# Altium PCB CRD25DA12N-FMC V1.2 (01-2024).PcbDoc (part 2 of 6)
Units mil, origin at the board's own origin, x right, y up, seen from the top; angles counter-clockwise.
Board outline 8000 x 8000 mil, 6 copper layers (Top Layer, Layer 2, Layer 3, Layer 4, Layer 5, Bottom Layer), stack 91 mil thick; 574 components, 325 nets, 1631 pads, 633 vias.
Unrouted connection lines stored in the file: 1.
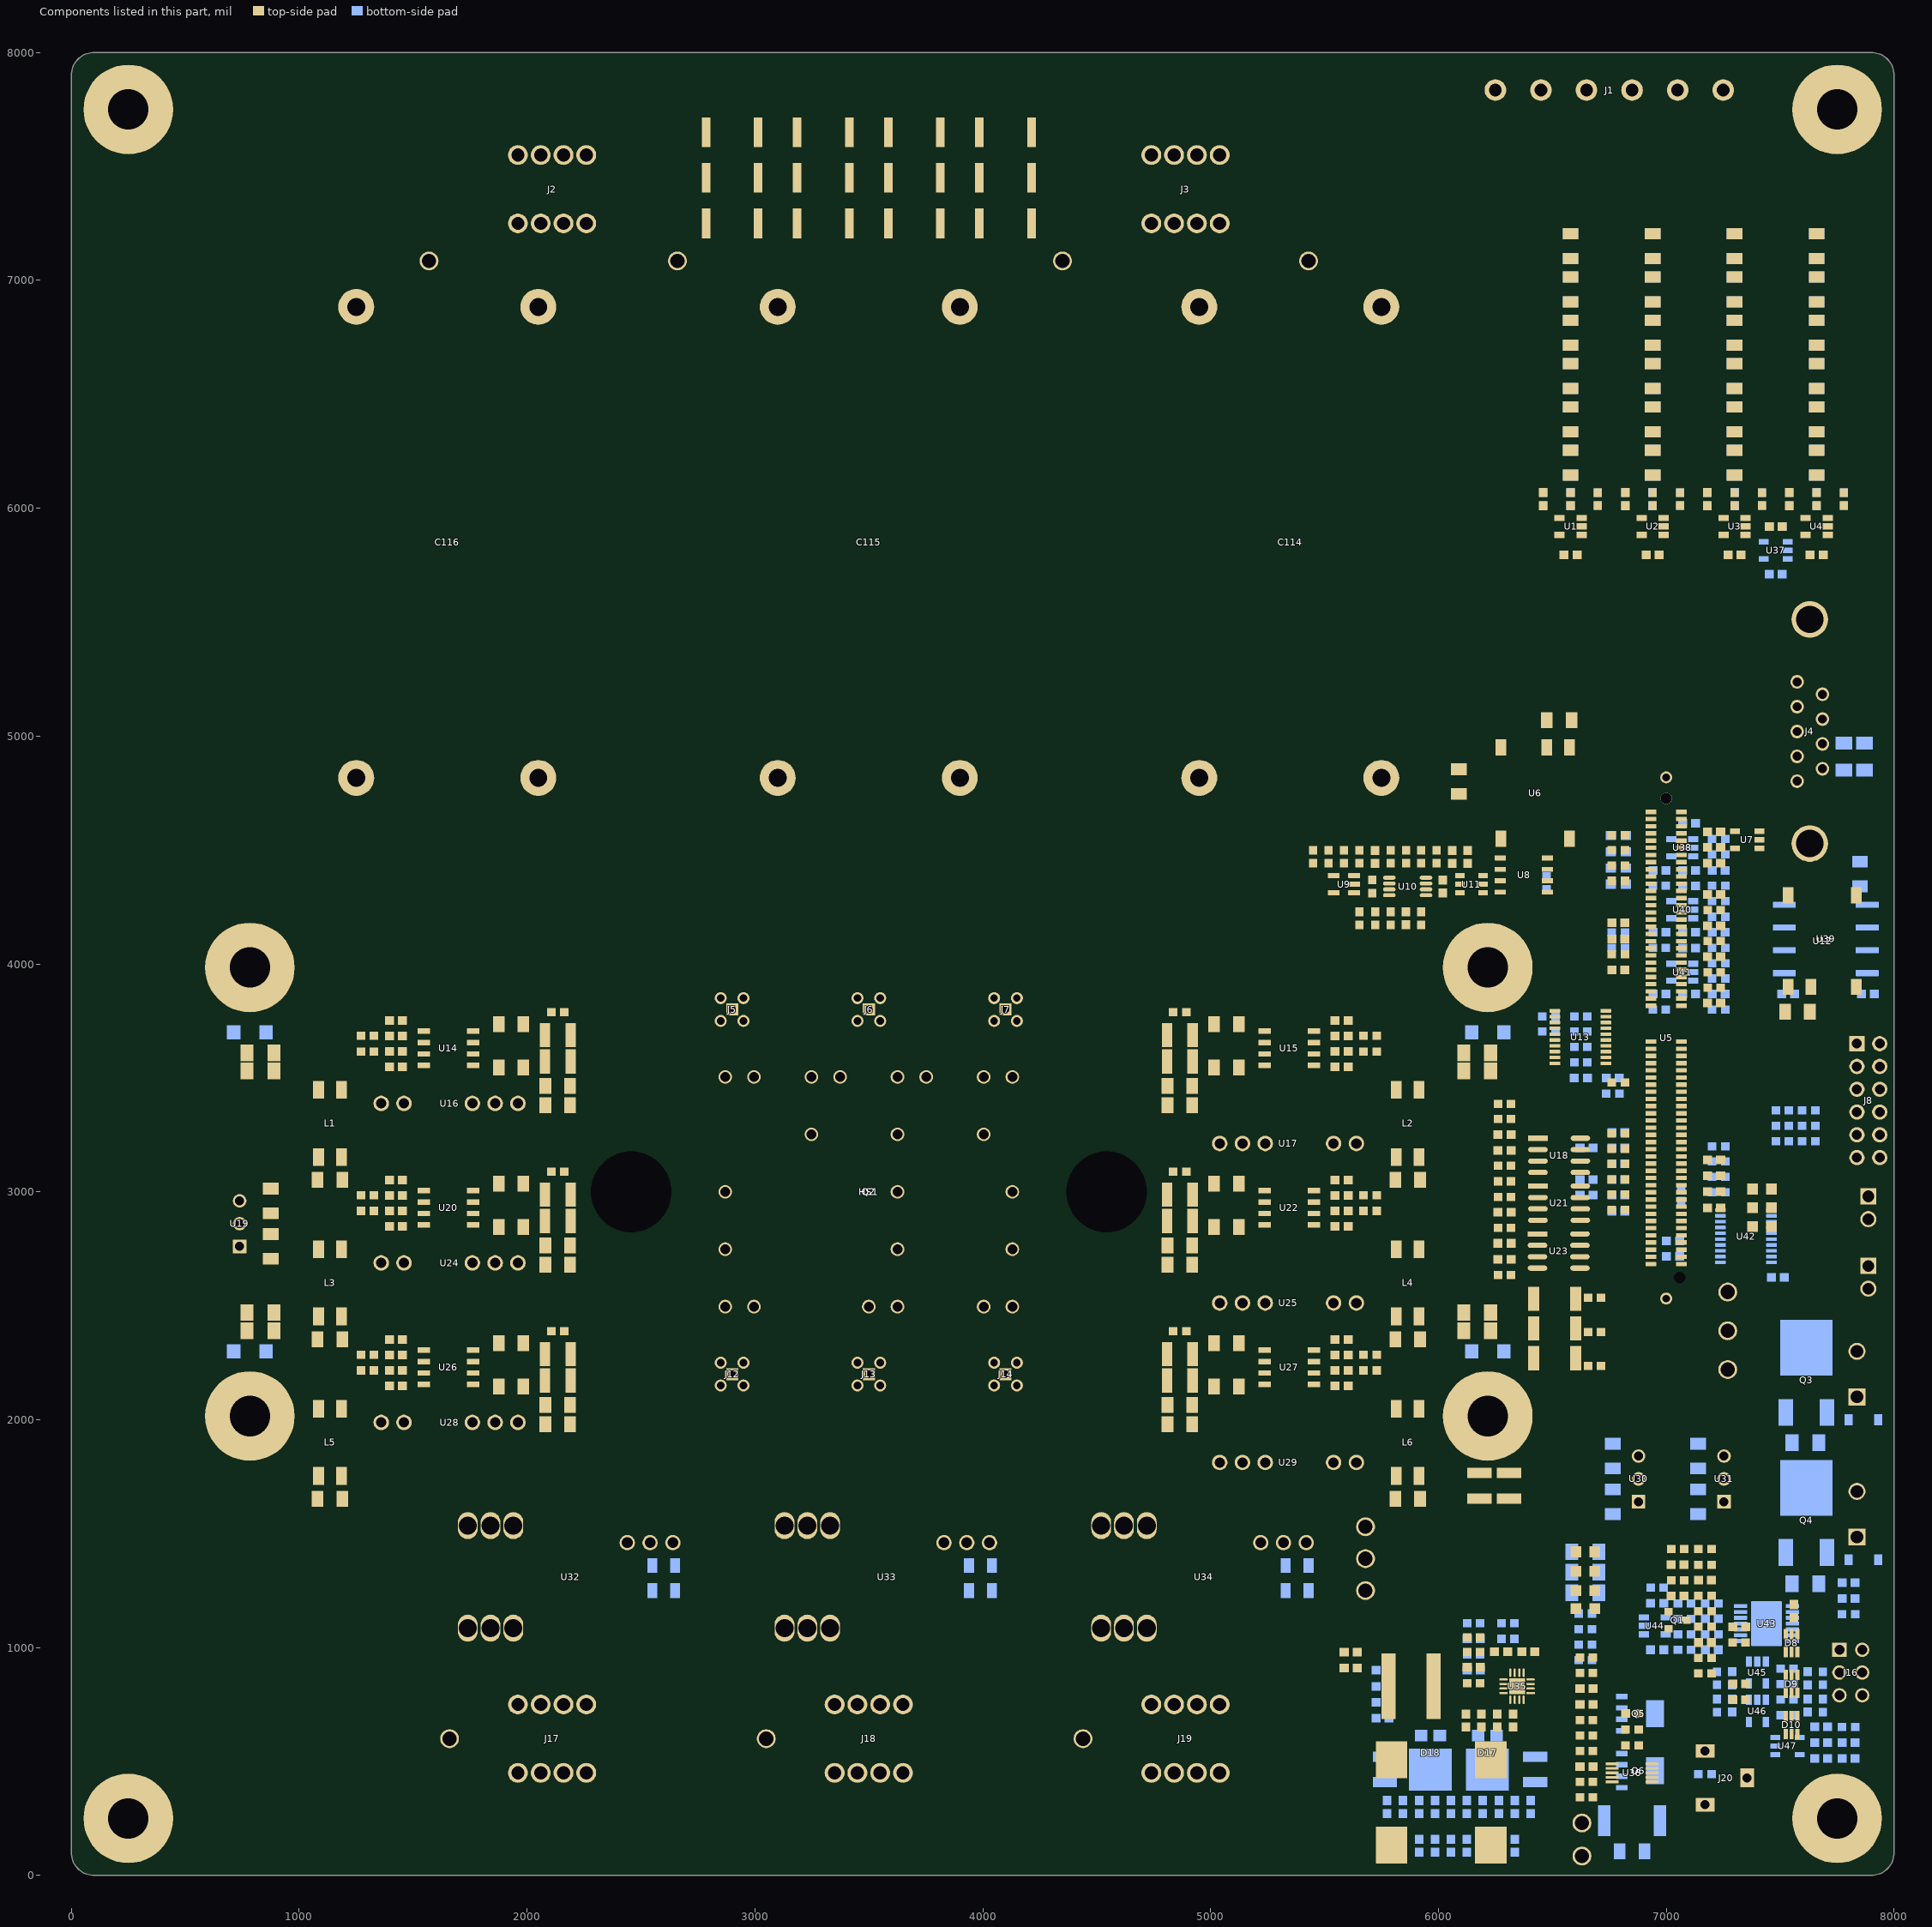
[diagram p6: the components of this part, seen from the top]

## Components (designator, comment, footprint, x,y, rotation, side; value= is the part's Value field where it differs from the comment) (continued)
R171 "TNPW1206249KBEEA" RESC3216X65X50NL15T25 6940,6200 r270 bottom value=249kΩ (schematic designator R178)
R172 "TNPW1206249KBEEA" RESC3216X65X50NL15T25 6580,6200 r270 bottom value=249kΩ (schematic designator R179)
R173 "ERJ-PB3B1801V" FP-MCR03-IPC_B 7780,6040 r90 bottom value=1.8kΩ (schematic designator R180)
R174 "RC0603FR-074K99L" FP-MCR03-IPC_B 7540,6040 r270 bottom value=4.99kΩ (schematic designator R181)
R175 "ERJ-PB3B1801V" FP-MCR03-IPC_B 7420,6040 r90 bottom value=1.8kΩ (schematic designator R182)
R176 "RC0603FR-074K99L" FP-MCR03-IPC_B 7180,6040 r270 bottom value=4.99kΩ (schematic designator R183)
R177 "ERJ-PB3B1801V" FP-MCR03-IPC_B 7060,6040 r90 bottom value=1.8kΩ (schematic designator R184)
R178 "RC0603FR-074K99L" FP-MCR03-IPC_B 6820,6040 r270 bottom value=4.99kΩ (schematic designator R185)
R179 "ERJ-PB3B3741V" FP-MCR03-IPC_B 6700,6040 r270 bottom value=3.74kΩ (schematic designator R186)
R180 "RC0603FR-074K99L" FP-MCR03-IPC_B 6460,6040 r270 bottom value=4.99kΩ (schematic designator R187)
R181 "RC1206FR-07249RL" FP-MCR18-IPC_A 7870,4910 r90 bottom value=249Ω (schematic designator R188)
R182 "RC1206FR-07249RL" FP-MCR18-IPC_A 7780,4910 r90 bottom value=249Ω (schematic designator R189)
R183 "RMCF0603FT1K33" FP-MCR03-IPC_B 7230,4548 r180 bottom value=1.33kΩ (schematic designator R190)
R184 "RMCF0603FT7K15" FP-MCR03-IPC_B 7230,4480 r180 bottom value=7.15kΩ (schematic designator R191)
R185 "ERA3AEB4021V" FP-MCR03-IPC_B 7230,4343 r0 bottom value=4.02kΩ (schematic designator R192)
R186 "RC0603FR-077K87L" FP-MCR03-IPC_B 6970,4343 r0 bottom value=7.87kΩ (schematic designator R193)
R187 "RMCF0603FT1K33" FP-MCR03-IPC_B 7230,4275 r180 bottom value=1.33kΩ (schematic designator R194)
R188 "RMCF0603FT7K15" FP-MCR03-IPC_B 7230,4207 r180 bottom value=7.15kΩ (schematic designator R195)
R189 "ERJ-3EKF49R9V" FP-MCR03-IPC_B 6790,4139 r0 bottom value=49.9Ω (schematic designator R196)
R190 "ERA3AEB4021V" FP-MCR03-IPC_B 7230,4070 r0 bottom value=4.02kΩ (schematic designator R197)
R191 "RC0603FR-077K87L" FP-MCR03-IPC_B 6970,4070 r0 bottom value=7.87kΩ (schematic designator R198)
R192 "ERJ-3EKF49R9V" FP-MCR03-IPC_B 6790,4070 r0 bottom value=49.9Ω (schematic designator R199)
R193 "RMCF0603FT1K33" FP-MCR03-IPC_B 7230,4003 r180 bottom value=1.33kΩ (schematic designator R200)
R194 "RMCF0603FT7K15" FP-MCR03-IPC_B 7230,3936 r180 bottom value=7.15kΩ (schematic designator R201)
R195 "ERA3AEB4021V" FP-MCR03-IPC_B 7230,3800 r0 bottom value=4.02kΩ (schematic designator R202)
R196 "RC0603FR-077K87L" FP-MCR03-IPC_B 6970,3800 r0 bottom value=7.87kΩ (schematic designator R203)
R197 "RC0603FR-07100KL" FP-MCR03-IPC_B 6625,3770 r180 bottom value=100kΩ (schematic designator R204)
R198 "RC0603FR-07100KL" FP-MCR03-IPC_B 6485,3770 r180 bottom value=100kΩ (schematic designator R205)
R199 "RC0603FR-07100KL" FP-MCR03-IPC_B 6625,3703 r180 bottom value=100kΩ (schematic designator R206)
R200 "RC0603FR-07100KL" FP-MCR03-IPC_B 6485,3703 r180 bottom value=100kΩ (schematic designator R207)
R201 "RC0603FR-07100KL" FP-MCR03-IPC_B 6625,3636 r180 bottom value=100kΩ (schematic designator R208)
R202 "RC0603FR-07100KL" FP-MCR03-IPC_B 6625,3568 r180 bottom value=100kΩ (schematic designator R209)
R203 "ERJ3EKF1002V" FP-MCR03-IPC_B 6765,3430 r180 bottom value=10kΩ (schematic designator R210)
R204 "RC0603FR-13330RL" FP-MCR03-IPC_B 7625,3358 r180 bottom value=330Ω (schematic designator R211)
R205 "RC0603FR-13330RL" FP-MCR03-IPC_B 7510,3358 r180 bottom value=330Ω (schematic designator R212)
R206 "RC0603FR-13330RL" FP-MCR03-IPC_B 7625,3290 r180 bottom value=330Ω (schematic designator R213)
R207 "RC0603FR-13330RL" FP-MCR03-IPC_B 7510,3290 r180 bottom value=330Ω (schematic designator R214)
R208 "RC0603FR-13330RL" FP-MCR03-IPC_B 7625,3222 r180 bottom value=330Ω (schematic designator R215)
R209 "RC0603FR-13330RL" FP-MCR03-IPC_B 7510,3222 r180 bottom value=330Ω (schematic designator R216)
R210 "CRCW06030000Z0EB" FP-MCR03-IPC_B 7230,3200 r180 bottom value=0Ω (schematic designator R217)
R211 "CRCW06030000Z0EB" FP-MCR03-IPC_B 7230,3133 r180 bottom value=0Ω (schematic designator R218)
R212 "CRCW06030000Z0EB" FP-MCR03-IPC_B 7230,3066 r180 bottom value=0Ω (schematic designator R219)
R213 "CRCW06030000Z0EB" FP-MCR03-IPC_B 7230,2998 r180 bottom value=0Ω (schematic designator R220)
R214 "RC1206FR-07249RL" FP-MCR18-IPC_A 7610.9,1899.76 r0 bottom value=249Ω (schematic designator R221)
R215 "RC1206FR-07249RL" FP-MCR18-IPC_A 6645,1420 r0 bottom value=249Ω (schematic designator R223)
R216 "RC1206FR-07249RL" FP-MCR18-IPC_A 6645,1330 r180 bottom value=249Ω (schematic designator R224)
R217 "RC1206FR-07249RL" FP-MCR18-IPC_A 7610.9,1280 r0 bottom value=249Ω (schematic designator R225)
R218 "ERJ3EKF3901V" FP-MCR03-IPC_B 6960,1263 r0 bottom value=3.9kΩ (schematic designator R226)
R219 "RC1206FR-07249RL" FP-MCR18-IPC_A 6645,1240 r0 bottom value=249Ω (schematic designator R227)
R220 "RC0603FR-07470KL" FP-MCR03-IPC_B 7200,1194 r180 bottom value=470kΩ (schematic designator R228)
R221 "ERA-3AED153V" FP-MCR03-IPC_B 7080,1194 r0 bottom value=15kΩ (schematic designator R229)
R222 "ERJ3EKF1002V" FP-MCR03-IPC_B 7800,1146 r180 bottom value=10kΩ (schematic designator R231)
R223 "CRCW06034K70FKTA" FP-MCR03-IPC_B 6645,1149 r180 bottom value=4.7kΩ (schematic designator R230)
R224 "ERJ3EKF3901V" FP-MCR03-IPC_B 7080,1126 r180 bottom value=3.9kΩ (schematic designator R232)
R225 "RT0603DRE0734K8L" FP-MCR03-IPC_B 6305,1038 r180 bottom value=34.8kΩ (schematic designator R253)
R226 "RT0603DRE072KL" FP-MCR03-IPC_B 6155,1106 r180 bottom value=2kΩ (schematic designator R261)
R227 "CRCW06034K70FKTA" FP-MCR03-IPC_B 6645,1081 r180 bottom value=4.7kΩ (schematic designator R233)
R228 "ERA-3AED153V" FP-MCR03-IPC_B 7200,1058 r180 bottom value=15kΩ (schematic designator R234)
R229 "ERJ3EKF1002V" FP-MCR03-IPC_B 7080,1058 r0 bottom value=10kΩ (schematic designator R235)
R230 "RT0603DRE0722K6L" FP-MCR03-IPC_B 6305,1106 r0 bottom value=22.6kΩ (schematic designator R258)
R231 "CRCW06034K70FKTA" FP-MCR03-IPC_B 6645,1013 r0 bottom value=4.7kΩ (schematic designator R236)
R232 "ERJ3EKF1002V" FP-MCR03-IPC_B 7080,990 r180 bottom value=10kΩ (schematic designator R237)
R233 "RT0603BRD075K36L" FP-MCR03-IPC_B 6155,970 r0 bottom value=5.36kΩ (schematic designator R252)
R234 "CRCW06034K70FKTA" FP-MCR03-IPC_B 6645,945 r0 bottom value=4.7kΩ (schematic designator R238)
R235 "ERJ-PB3B1212V" FP-MCR03-IPC_B 7530,907 r180 bottom value=12.1kΩ (schematic designator R239)
R236 "RC0603FR-0747KL" FP-MCR03-IPC_B 7688,865 r270 bottom value=47kΩ (schematic designator R240)
R237 "ERJ3EKF1002V" FP-MCR03-IPC_B 7222,865 r270 bottom value=10kΩ (schematic designator R241)
R238 "ERJ-PB3B1212V" FP-MCR03-IPC_B 7530,839 r180 bottom value=12.1kΩ (schematic designator R242)
R239 "RC0603FR-0747KL" FP-MCR03-IPC_B 7688,745 r90 bottom value=47kΩ (schematic designator R244)
R240 "ERJ-PB3B1212V" FP-MCR03-IPC_B 7530,771 r180 bottom value=12.1kΩ (schematic designator R243)
R241 "ERJ3EKF1002V" FP-MCR03-IPC_B 7222,745 r270 bottom value=10kΩ (schematic designator R245)
R242 "ERJ-PB3B1212V" FP-MCR03-IPC_B 7530,703 r180 bottom value=12.1kΩ (schematic designator R246)
R243 "ERJ3EKF1002V" FP-MCR03-IPC_B 7800,652 r0 bottom value=10kΩ (schematic designator R247)
R244 "CRCW121010R0FKEAHP" RESC3125X70X40NL20T20 6425,465 r270 bottom value=10Ω (schematic designator R251)
R245 "CRCW121010R0FKEAHP" RESC3125X70X40NL20T20 5765,465 r270 bottom value=10Ω (schematic designator R257)
R246 "RC0603FR-07100KL" FP-MCR03-IPC_B 7170,445 r0 bottom value=100kΩ (schematic designator R152)
R247 "PE2512FKE7W0R01L" FP-RL2512-IPC_A 6850,240 r180 bottom value=10mΩ (schematic designator R248)
TP1 "5010" KSTN-5010_V 1570,7085 r0 top value=RED
TP2 "5010" KSTN-5010_V 2660,7085 r0 top value=RED
TP3 "5011" KSTN-5011_V 4350,7085 r0 top value=BLACK
TP4 "5011" KSTN-5011_V 5430,7085 r0 top value=BLACK
TP5 "5010" KSTN-5010_V 7270,2560 r0 top value=RED
TP6 "5010" KSTN-5010_V 7270,2390 r0 top value=RED
TP7 "5011" KSTN-5011_V 7270,2220 r0 top value=BLACK
TP8 "5010" KSTN-5010_V 5680,1530 r0 top value=RED
TP9 "5010" KSTN-5010_V 5680,1390 r0 top value=RED
TP10 "5011" KSTN-5011_V 5680,1250 r0 top value=BLACK (schematic designator TP13)
TP11 "5012" KSTN-5012_V 1660,600 r0 top value=WHITE (schematic designator TP10)
TP12 "5012" KSTN-5012_V 3050,600 r0 top value=WHITE (schematic designator TP11)
TP13 "5012" KSTN-5012_V 4440,600 r0 top value=WHITE (schematic designator TP12)
TP14 "5010" KSTN-5010_V 6630,230 r0 top value=RED
TP15 "5011" KSTN-5011_V 6630,85 r0 top value=BLACK
U1 "AD8615AUJZ-REEL7" ADI-UJ-5_M 6580,5920 r180 top value=N/A
U2 "AD8615AUJZ-REEL7" ADI-UJ-5_M 6940,5920 r180 top value=N/A
U3 "AD8615AUJZ-REEL7" ADI-UJ-5_M 7300,5920 r180 top value=N/A
U4 "AD8615AUJZ-REEL7" ADI-UJ-5_M 7660,5920 r180 top value=N/A
U5 "TMDSCNCD280039C" TMDSCNCD280039C 7000,3675 r90 top locked value=N/A
U6 "R1SE-3.305/H2-R" FP-R1SE-0505-R-MFG 6425,4750 r270 top value=N/A
U7 "REF2033QDDCRQ1" FP-DDC0005A-MFG 7355,4545 r180 top value=N/A
U8 "ISO722MDR" D0008B_L 6375,4390 r0 top value=N/A
U9 "TS431IYLT" SOT95P280X145-5N 5585,4350 r180 top value=N/A (schematic designator U10)
U10 "MCP6292-E/MS" MSOP-MS8_L 5865,4340 r0 top value=N/A (schematic designator U9)
U11 "LTC6992CS6-2#TRMPBF" SOT95P280X100-6N 6145,4350 r0 top value=N/A
U12 "R1SE-3.305/H2-R" FP-R1SE-0505-R-MFG 7685,4100 r90 top value=N/A
U13 "SN74LV541ATPWR" PW0020A_L 6622.8,3678.98 r180 top value=N/A
U14 "UCC5350SBD" D0008B_HV 1655,3630 r0 top value=N/A
U15 "UCC5350SBD" D0008B_HV 5345,3630 r180 top value=N/A
U16 "MGJ2D121503SC" MGJ2D121509SC 1660,3300 r0 top value=N/A
U17 "MGJ2D121503SC" MGJ2D121509SC 5340,3300 r180 top value=N/A
U18 "TLV3502AID" FP-D0008A-IPC_B 6530,3160 r0 top value=N/A
U19 "R-78E5.0-1.0" CONV_R-78E5.0-1.0 650,2860 r90 top value=N/A
U20 "UCC5350SBD" D0008B_HV 1655,2930 r0 top value=N/A
U21 "TLV3502AID" FP-D0008A-IPC_B 6530,2950 r0 top value=N/A
U22 "UCC5350SBD" D0008B_HV 5345,2930 r180 top value=N/A
U23 "TLV3502AID" FP-D0008A-IPC_B 6528.06,2740 r0 top value=N/A
U24 "MGJ2D121503SC" MGJ2D121509SC 1660,2600 r0 top value=N/A
U25 "MGJ2D121503SC" MGJ2D121509SC 5340,2600 r180 top value=N/A
U26 "UCC5350SBD" D0008B_HV 1655,2230 r0 top value=N/A
U27 "UCC5350SBD" D0008B_HV 5345,2230 r180 top value=N/A
U28 "MGJ2D121503SC" MGJ2D121509SC 1660,1900 r0 top value=N/A
U29 "MGJ2D121503SC" MGJ2D121509SC 5340,1900 r180 top value=N/A
U30 "R-78E3.3-1.0" CONV_R-78E3.3-1.0 6790,1740 r90 top value=N/A
U31 "R-78E5.0-1.0" CONV_R-78E5.0-1.0 7165,1740 r90 top value=N/A
U32 "LAH 50-P" "LAH 50-P" 2110,1300 r90 top locked value=N/A
U33 "LAH 50-P" "LAH 50-P" 3500,1300 r90 top locked value=N/A
U34 "LAH 50-P" "LAH 50-P" 4890,1300 r90 top locked value=N/A
U35 "LM5157QRTERQ1" FP-RTE0016K-IPC_A 6345,830 r180 top value=N/A (schematic designator U49)
U36 "LTC4368IMS-2#PBF" SOP50P490X110-10N 6850,450 r0 top value=N/A
U37 "REF2033QDDCRQ1" FP-DDC0005A-MFG 7480,5815 r180 bottom value=N/A (schematic designator U38)
U38 "AD8615AUJZ-REEL7" ADI-UJ-5_M 7070,4510 r180 bottom value=N/A (schematic designator U39)
U39 "ISO1050DUBR" DUB0008A_M 7700,4110 r0 bottom value=N/A (schematic designator U41)
U40 "AD8615AUJZ-REEL7" ADI-UJ-5_M 7070,4238 r180 bottom value=N/A
U41 "AD8615AUJZ-REEL7" ADI-UJ-5_M 7070,3964 r180 bottom value=N/A (schematic designator U42)
U42 "SN74LV541ATPWR" PW0020A_L 7350,2805 r0 bottom value=N/A (schematic designator U43)
U43 "ALM2402FQPWPRQ1" FP-PWP0014H-MFG 7440,1105 r0 bottom value=N/A (schematic designator U44)
U44 "AD8615AUJZ-REEL7" ADI-UJ-5_M 6950,1095 r0 bottom value=N/A (schematic designator U45)
U45 "AD8615AUJZ-REEL7" ADI-UJ-5_M 7400,890 r270 bottom value=N/A (schematic designator U46)
U46 "AD8615AUJZ-REEL7" ADI-UJ-5_M 7400,721.77 r270 bottom value=N/A (schematic designator U47)
U47 "REF2033QDDCRQ1" FP-DDC0005A-MFG 7531.85,567.6 r0 bottom value=N/A (schematic designator U48)

## Footprints (in the part's own frame and the unit in brackets; to place one, negate y for a bottom-side part, rotate by r counter-clockwise, add the part's x,y. Pads: shape width x height; smd on the part's side, far side on the other; paste and mask are expansions set on the pad)
1755736 [mm] "THD, 2-Leads, Body 12.16x8.6mm, Pitch 5.08mm"
  rect 1.9x1.9 hole 1.4: 1(-2.54,0)
  round 1.9 hole 1.4: 2(2.54,0)
  silkscreen extent -6.08,-3.81 6.08,4.79, body extent -6.08,-3.8 6.16,4.87, height 12
1755778 [mm] "TERM BLOCK HDR 6POS VERT 5.08MM"
  round 2.4 hole 1.4: 1(-12.7,0) 2(-7.62,0) 3(-2.54,0) 4(2.54,0) 5(7.62,0) 6(12.7,0)
  silkscreen extent -16.24,-3.83 16.24,3.84, body extent -16.24,-3.84 16.24,4.76, height 12
7460307 [mm] "8 Pin Screw Terminal, Power Tap M4 Through Hole"
  round 2.21 hole 1.475: 1(-3.81,3.81) 2(-1.27,3.81) 3(1.27,3.81) 4(3.81,3.81) 5(3.81,-3.81) 6(1.27,-3.81) 7(-1.27,-3.81) 8(-3.81,-3.81)
  Top Layer keep-out region: -8.5,-8.5 8.5,-8.5 8.5,8.5 -8.5,8.5
  Bottom Layer keep-out region: -8.5,-8.5 8.5,-8.5 8.5,8.5 -8.5,8.5
  silkscreen extent -5.2,-5.2 5.2,5.2, body extent -4.5,-4.5 4.5,4.5, height 7
61200621621 [mm] "6 pins, straight, gold plating"
  rect 1.6x1.6 hole 1.1: 1(-2.54,-1.27)
  round 1.6 hole 1.1: 2(-2.54,1.27) 3(0,-1.27) 4(0,1.27) 5(2.54,-1.27) 6(2.54,1.27)
  silkscreen extent -7.74,-4.5 7.74,4.5, body extent -7.64,-4.43 7.64,4.75, height 9.13
74437368220 [mm]
  rect 4.1x3.5 smd: 1(-4.75,0) 2(4.75,0)
  Top Layer keep-out region: -2.7,-5 2.7,-5 2.7,5 -2.7,5
  silkscreen extent -5.5,-5.5 5.5,5.5, body extent -5.5,-5 5.5,5, height 3.7
ADI-UJ-5_M [mm] "SOT23, 5-Leads, Body 2.9x1.6mm, Pitch 0.95mm, IPC Low Density"
  rect 1.15x0.7 smd: 1(-1.225,0.95) 2(-1.225,0) 3(-1.225,-0.95) 4(1.225,-0.95) 5(1.225,0.95)
  silkscreen extent -1.35,-1.45 0.25,1.97, body extent -0.8,-1.45 0.8,1.45, height 1
C4AQQEW5650A3BJ [mm] "CAP FILM 65UF 5% 1.1KVDC RAD"
  round 4 hole 2: 1(-26.25,10.15) 2(-26.25,-10.15) 3(26.25,10.15) 4(26.25,-10.15)
  silkscreen extent -28.75,-22.5 28.75,22.5, body extent -29,-22.71 29.3,22.8, height 65.4
CONV_R-78E3.3-1.0 [mm]
  rect 1.508x1.508 hole 1: 1(-2.54,-2.25)
  round 1.508 hole 1: 2(0,-2.25) 3(2.54,-2.25)
  silkscreen extent -6.5,-4.25 5.75,4.25, body extent -5.8,-4.25 5.8,4.25, height 9.9
CONV_R-78E5.0-1.0 [mm]
  rect 1.508x1.508 hole 1: 1(-2.54,-2.25)
  round 1.508 hole 1: 2(0,-2.25) 3(2.54,-2.25)
  silkscreen extent -6.5,-4.25 5.75,4.25, body extent -5.8,-4.25 5.8,4.25, height 9.9
CUI-PJ-102B_V [mm] "THD, 3-Leads, Body 14.4x9mm, Height 11mm"
  rect 1.5x2.1 hole 1 slot 1.6 at 90 deg: 1(-3,0) 2(3,0)
  rect 2.1x1.5 hole 1 slot 1.6 at 0 deg: 3(0,4.7)
  silkscreen extent -4.42,-4.5 10.7,4.9, body extent -3.7,-4.5 10.7,4.9, height 11
D0008B_HV [mm]
  rect 1.4x0.6 smd paste+0 mask+0: 1(-2.75,1.905) 2(-2.75,0.635) 3(-2.75,-0.635) 4(-2.75,-1.905) 5(2.75,-1.905) 6(2.75,-0.635) 7(2.75,0.635) 8(2.75,1.905)
  silkscreen extent -3.3,-2.5 0.9,3.35, body extent -3.01,-2.45 3.01,2.45, height 1.63
D0008B_L [mm] "SOIC, 8-Leads, Body 5x4mm, Pitch 1.27mm, IPC High Density"
  rrect18% 1.25x0.55 smd: 1(-2.625,1.905) 2(-2.625,0.635) 3(-2.625,-0.635) 4(-2.625,-1.905) 5(2.625,-1.905) 6(2.625,-0.635) 7(2.625,0.635) 8(2.625,1.905)
  silkscreen extent -1.6,-2.5 1.6,2.5, body extent -3,-2.45 3,2.45, height 1.63
DUB0008A_M [mm] "SOP, 8-Leads, Body 6.7x9.6mm, Pitch 2.54mm, IPC Low Density"
  rrect14% 2.55x0.7 smd: 1(-4.625,3.81) 2(-4.625,1.27) 3(-4.625,-1.27) 4(-4.625,-3.81) 5(4.625,-3.81) 6(4.625,-1.27) 7(4.625,1.27) 8(4.625,3.81)
  silkscreen extent -4.75,-4.8 2.95,4.83, body extent -5.24,-4.75 5.24,4.75, height 4.85
FM3_SIX-PACK_3PHASE_CRW [mm]
  round 1.524 hole 1.1: DC+_1(-6.4,-6.4) DC+_2(3.2,-6.4) DC+_3(12.8,-6.4) DC-1(-16,0) DC-2(3.2,0) DC-3(16,0) G1(-12.8,-12.8) G2(-16,12.8) G3(-3.2,-12.8) G4(3.2,12.8) G5(6.4,-12.8) G6(16,12.8) NTC1(12.8,-12.8) NTC2(16,-12.8) S1(-16,-12.8) S2(-12.8,12.8) S3(-6.4,-12.8) S4(0,12.8) S5(3.2,-12.8) S6(12.8,12.8) U(-16,6.4) V(3.2,6.4) W(16,6.4)
  round 0 hole 9 unplated: MH1(-26.5,0) MH2(26.5,0)
  Bottom Layer keep-out circle w6.2: c16,12.8 r2
  Bottom Layer keep-out circle w6.2: c-16,12.8 r2
  Bottom Layer keep-out circle w6.2: c-12.8,12.8 r2
  Bottom Layer keep-out circle w6.2: c0,12.8 r2
  Bottom Layer keep-out circle w6.2: c12.8,12.8 r2
  Bottom Layer keep-out circle w6.2: c3.2,12.8 r2
  Bottom Layer keep-out circle w6.2: c16,-12.8 r2
  Bottom Layer keep-out circle w6.2: c12.8,-12.8 r2
  Bottom Layer keep-out circle w6.2: c6.4,-12.8 r2
  Bottom Layer keep-out circle w6.2: c3.2,-12.8 r2
  Bottom Layer keep-out circle w6.2: c-3.2,-12.8 r2
  Bottom Layer keep-out circle w6.2: c-6.4,-12.8 r2
  Bottom Layer keep-out circle w6.2: c-12.8,-12.8 r2
  Bottom Layer keep-out circle w6.2: c-16,-12.8 r2
  Bottom Layer keep-out circle w6.2: c-16,6.4 r2
  Bottom Layer keep-out circle w6.2: c-16,0 r2
  Bottom Layer keep-out circle w6.2: c-6.4,-6.4 r2
  Bottom Layer keep-out circle w6.2: c3.2,-6.4 r2
  Bottom Layer keep-out circle w6.2: c12.8,-6.4 r2
  Bottom Layer keep-out circle w6.2: c16,0 r2
  Bottom Layer keep-out circle w6.2: c16,6.4 r2
  Bottom Layer keep-out circle w6.2: c3.2,6.4 r2
  Bottom Layer keep-out circle w6.2: c3.2,0 r2
  silkscreen extent -31.52,-16.88 31.52,16.88, body extent -31.4,-16.9 31.4,16.9, height 11.98
FP-73415-1471-MFG [mm]
  rect 1.34x1.34 hole 0.84 paste-2539.97 mask+0: 1(0.01,0)
  round 1.34 hole 0.84 paste-2539.97 mask+0: 2(-1.27,1.27) 3(1.27,1.27) 4(-1.27,-1.27) 5(1.27,-1.27)
  silkscreen extent -2.54,-1.82 1.82,1.82, body extent -2.04,-2.04 2.04,2.04, height 0.25
FP-61301221121-MFG [mm]
  rect 1.7x1.7 hole 1.1 paste-2539.97 mask+0: 1(-6.35,-1.27)
  round 1.7 hole 1.1 paste-2539.97 mask+0: 2(-6.35,1.27) 3(-3.81,-1.27) 4(-3.81,1.27) 5(-1.27,-1.27) 6(-1.27,1.27) 7(1.27,-1.27) 8(1.27,1.27) 9(3.81,-1.27) 10(3.81,1.27) 11(6.35,-1.27) 12(6.35,1.27)
  silkscreen extent -8.38,-2.62 7.77,2.62, body extent -7.87,-2.72 7.87,2.72, height 0.25
FP-APTR3216SECK-MFG [mm]
  rect 1.5x1.6 smd paste+0 mask+0: 1(-1.8,0) 2(1.8,0)
  silkscreen extent -3.3,-1.4 1.9,1.4, body extent -1.6,-0.8 1.6,0.8, height 1.1
FP-C0603C-CF-IPC_B [mil]
  rect 39.63x37.73 smd paste+0 mask+0: 1(-28.58,0) 2(28.58,0)
  silkscreen extent -48,-35 48,35, body extent -31,-16 31,16, height 34
FP-CL31-IPC_B [mil]
  rect 51.4x69.22 smd paste+0 mask+0: 1(-54.19,0) 2(54.19,0)
  silkscreen extent -17,-35 17,35, body extent -63,-31 63,31, height 55
FP-CL31-IPC_C [mil]
  rect 43.52x65.28 smd paste+0 mask+0: 1(-50.25,0) 2(50.25,0)
  silkscreen extent -17,-34 17,34, body extent -63,-31 63,31, height 55
FP-CRGP2512-IPC_C [mil]
  rect 37.72x130.17 smd paste+0 mask+0: 1(-114.25,0) 2(114.25,0)
  silkscreen extent -84,-67 84,67, body extent -125,-63 125,63, height 26
FP-D0008A-IPC_B [mil]
  rect 85.4x22.92 smd paste+0 mask+0: 1(-93.06,75)
  rrect100% 85.4x22.92 smd paste+0 mask+0: 2(-93.06,25) 3(-93.06,-25) 4(-93.06,-75) 5(93.06,-75) 6(93.06,-25) 7(93.06,25) 8(93.06,75)
  silkscreen extent -162,-97 31,97, body extent -146,-106 146,106, height 10
FP-DDC0005A-MFG [mm]
  rect 1.1x0.6 smd paste+0 mask+0: 1(-1.35,0.95) 2(-1.35,0) 3(-1.35,-0.95) 4(1.35,-0.95) 5(1.35,0.95)
  silkscreen extent -2.6,-1.53 0.87,1.53, body extent -2,-1.63 2,1.63, height 0.25
FP-GCM188-0_1-IPC_A [mil]
  rect 45.62x39.85 smd paste+0 mask+0: 1(-32.55,0) 2(32.55,0)
  silkscreen extent -55,-36 55,36, body extent -31,-16 31,16, height 35
FP-LTST-C171GKT-MFG [mm]
  rect 1.2x1.2 smd paste+0 mask+0: 1(-1.05,0) 2(1.05,0)
  silkscreen extent -2.37,-1.05 1.05,1.05, body extent -1.75,-0.77 1.75,0.77, height 0.25
FP-LTST-C171GKT-MFG-RED [mm]
  rect 1.2x1.2 smd paste+0 mask+0: 1(-1.05,0) 2(1.05,0)
  silkscreen extent -2.37,-1.05 1.05,1.05, body extent -1,-0.63 1,0.63, height 0.8